# Altium PCB EPS.PcbDoc (part 1 of 10) (continued)
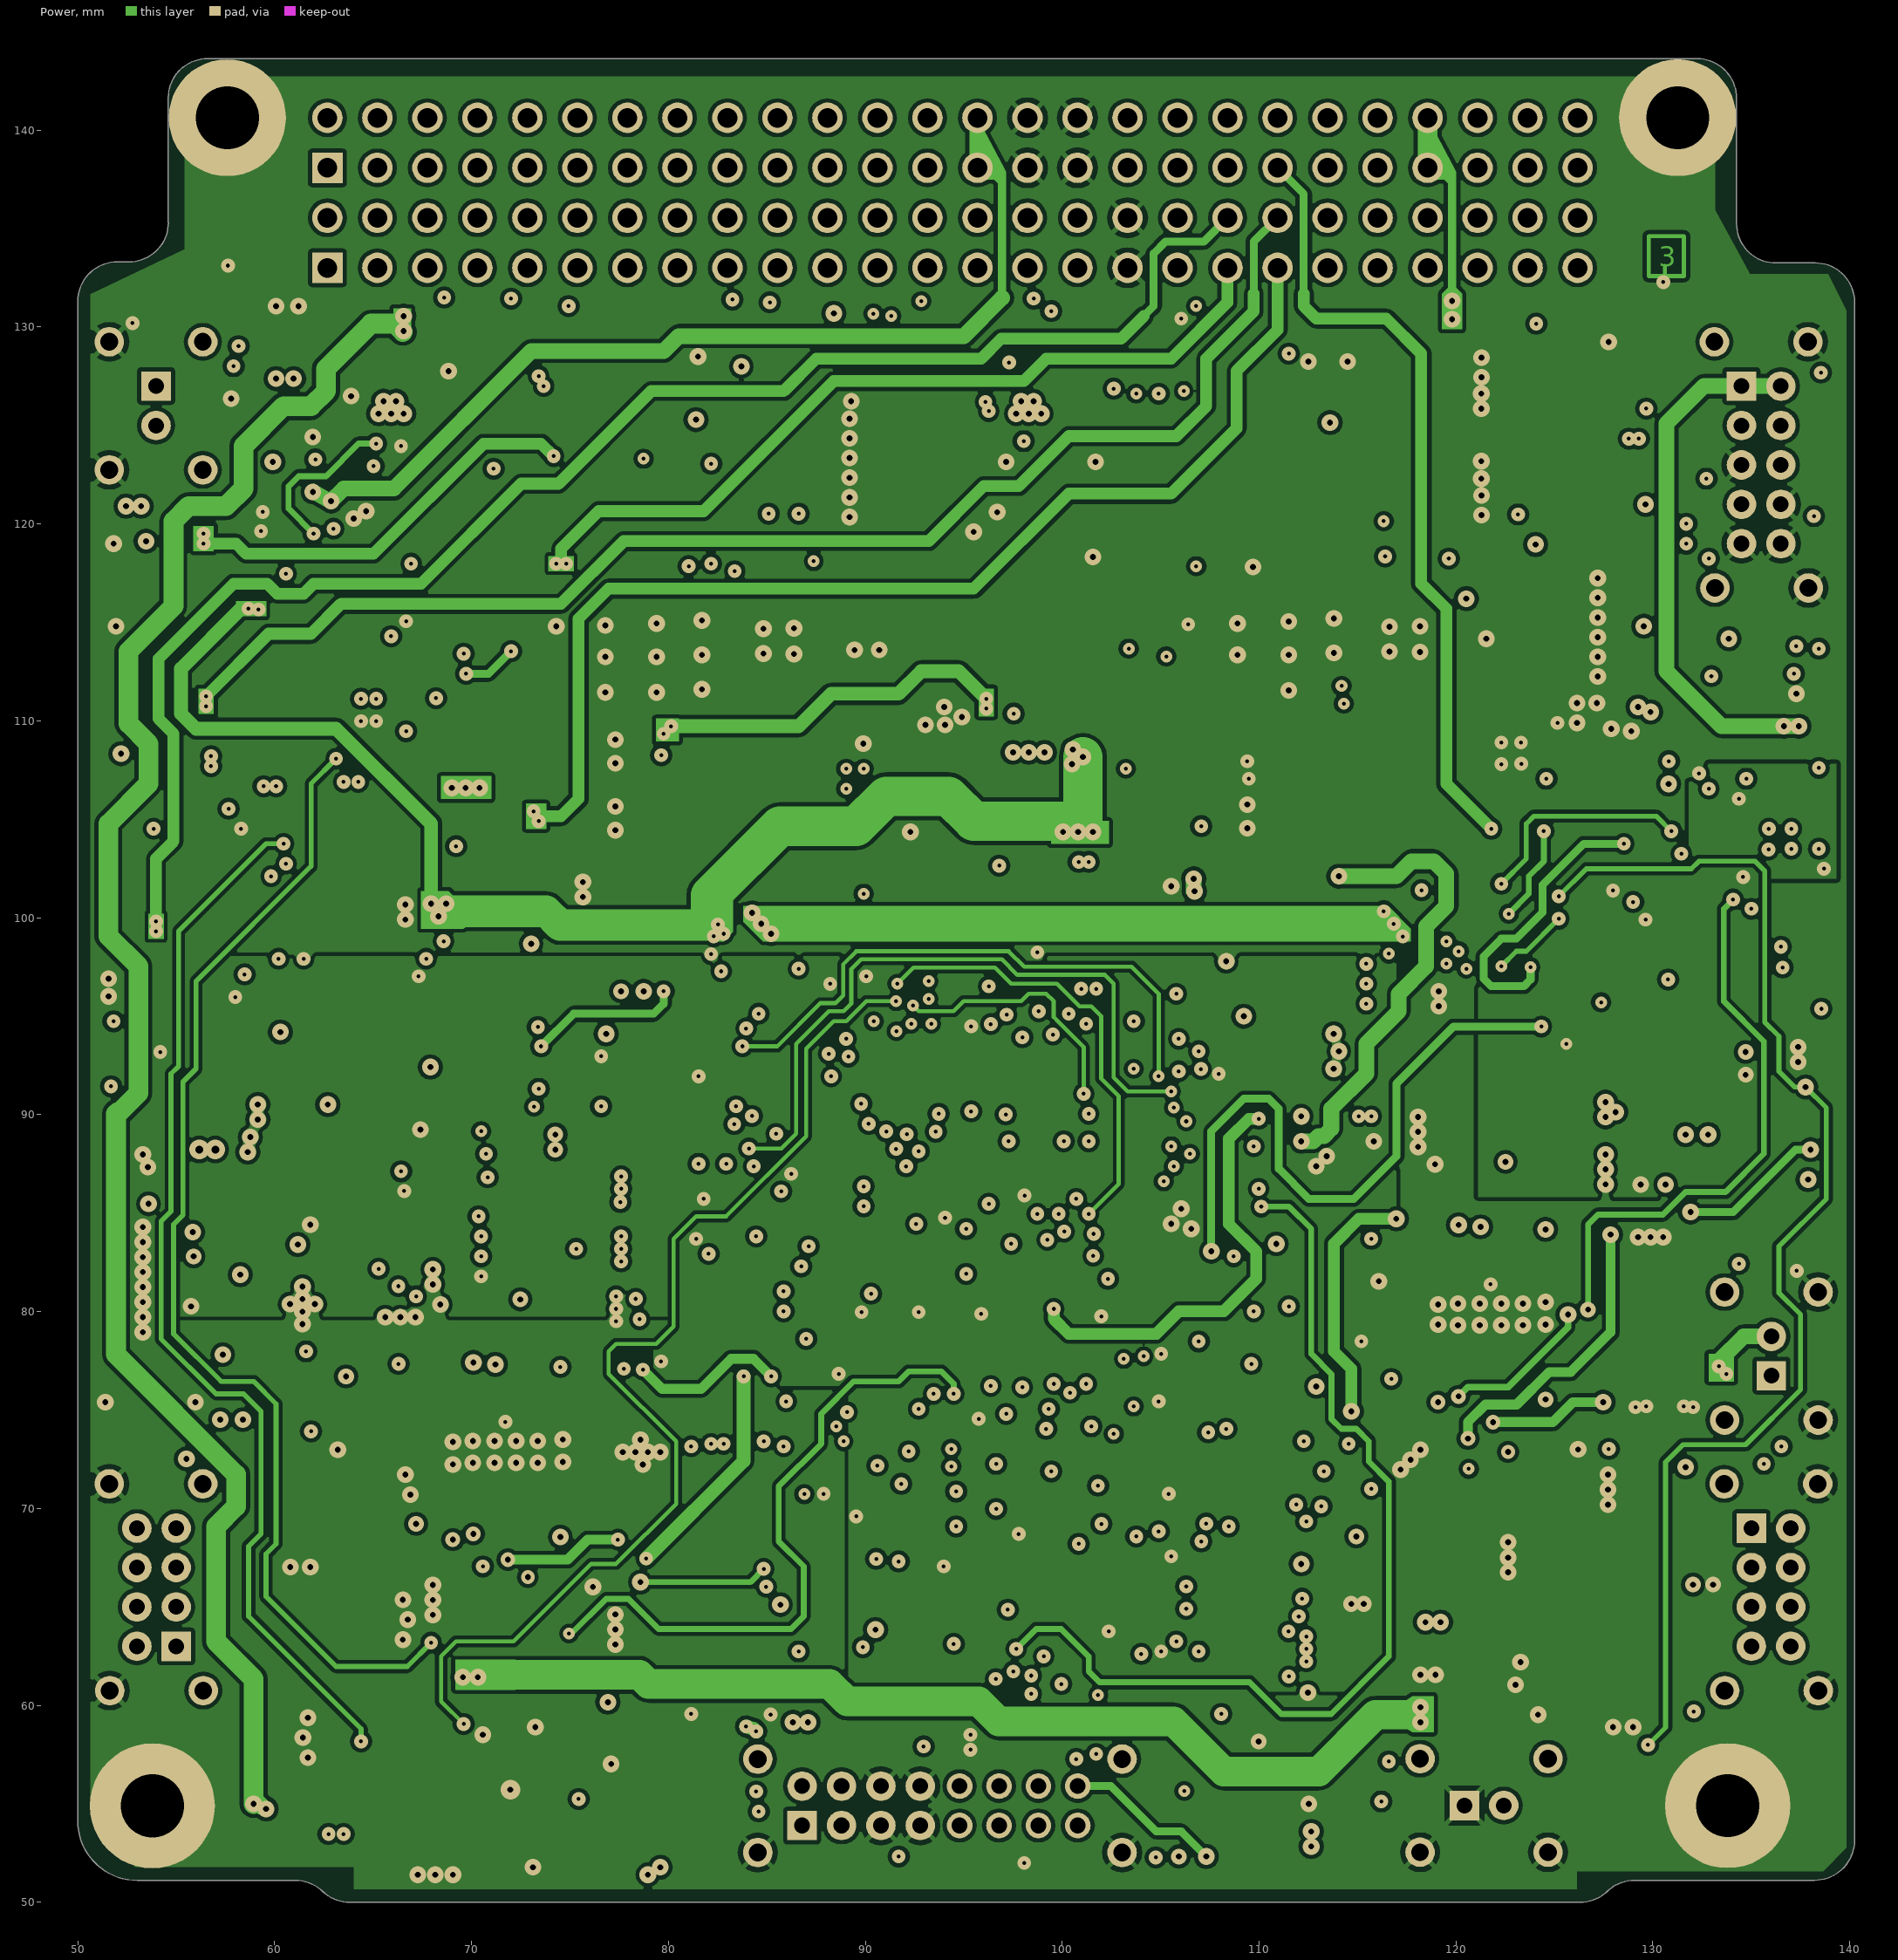
[diagram p3: Power]
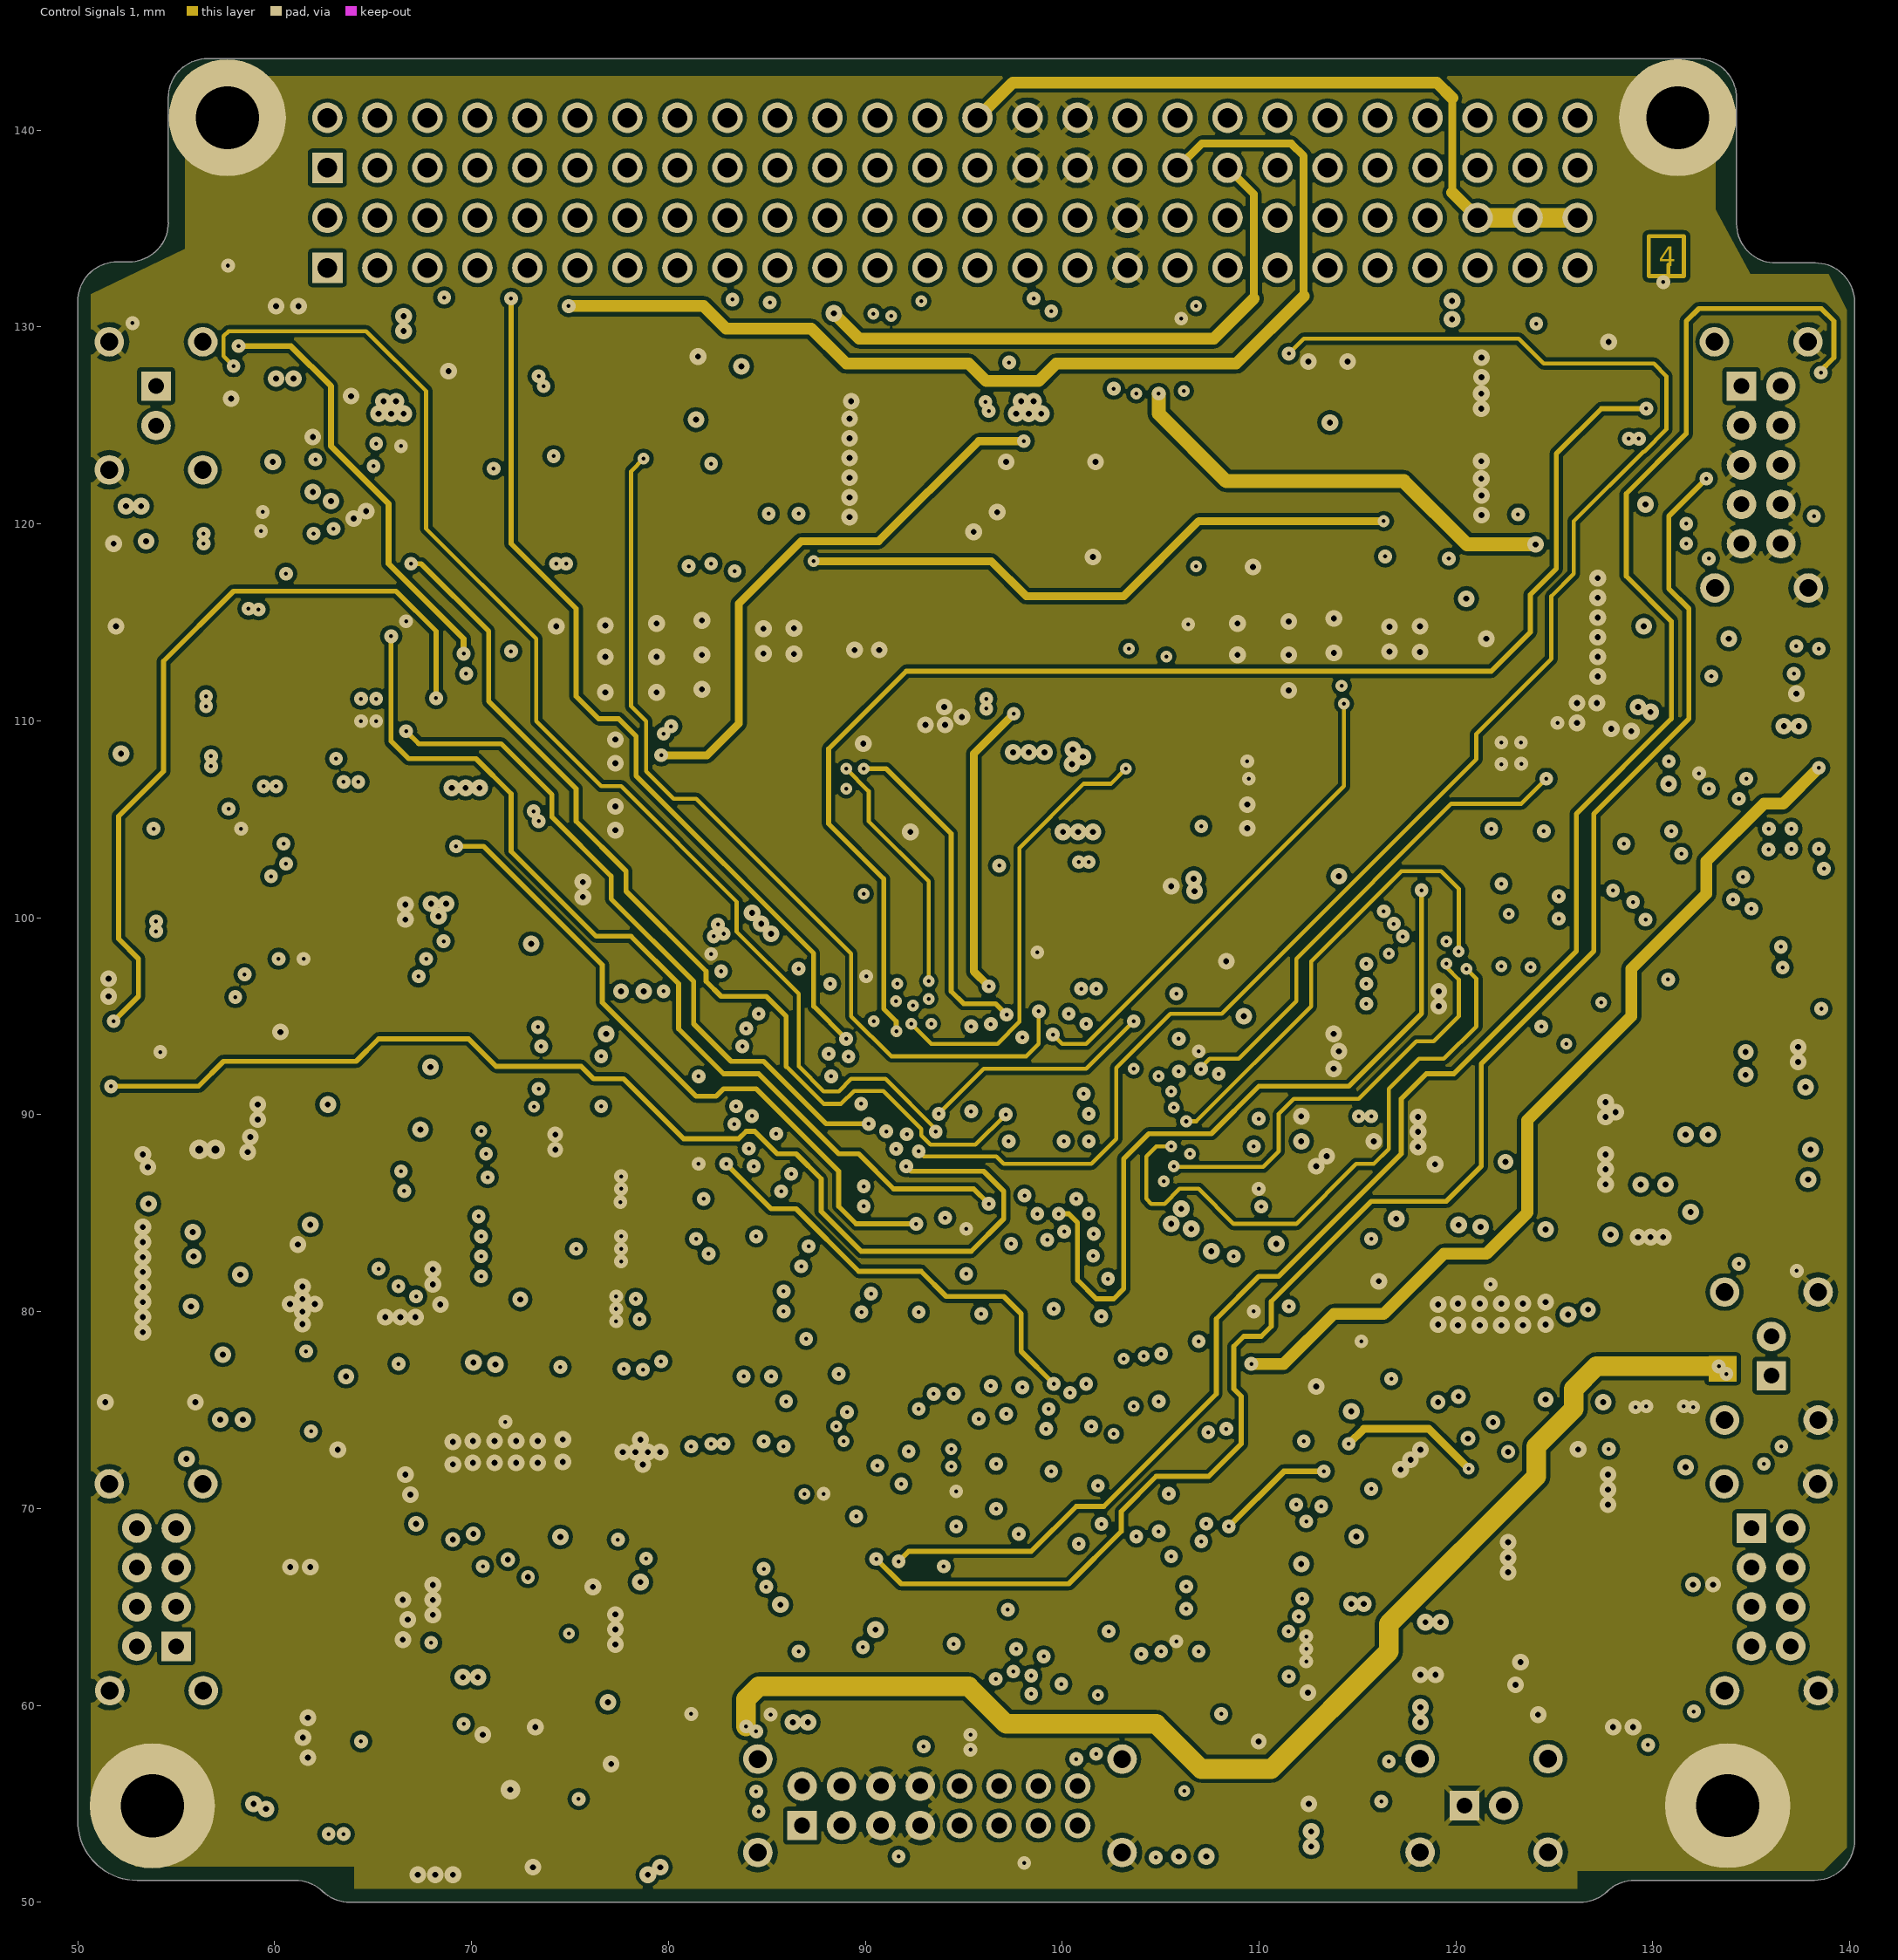
[diagram p4: Control Signals 1]
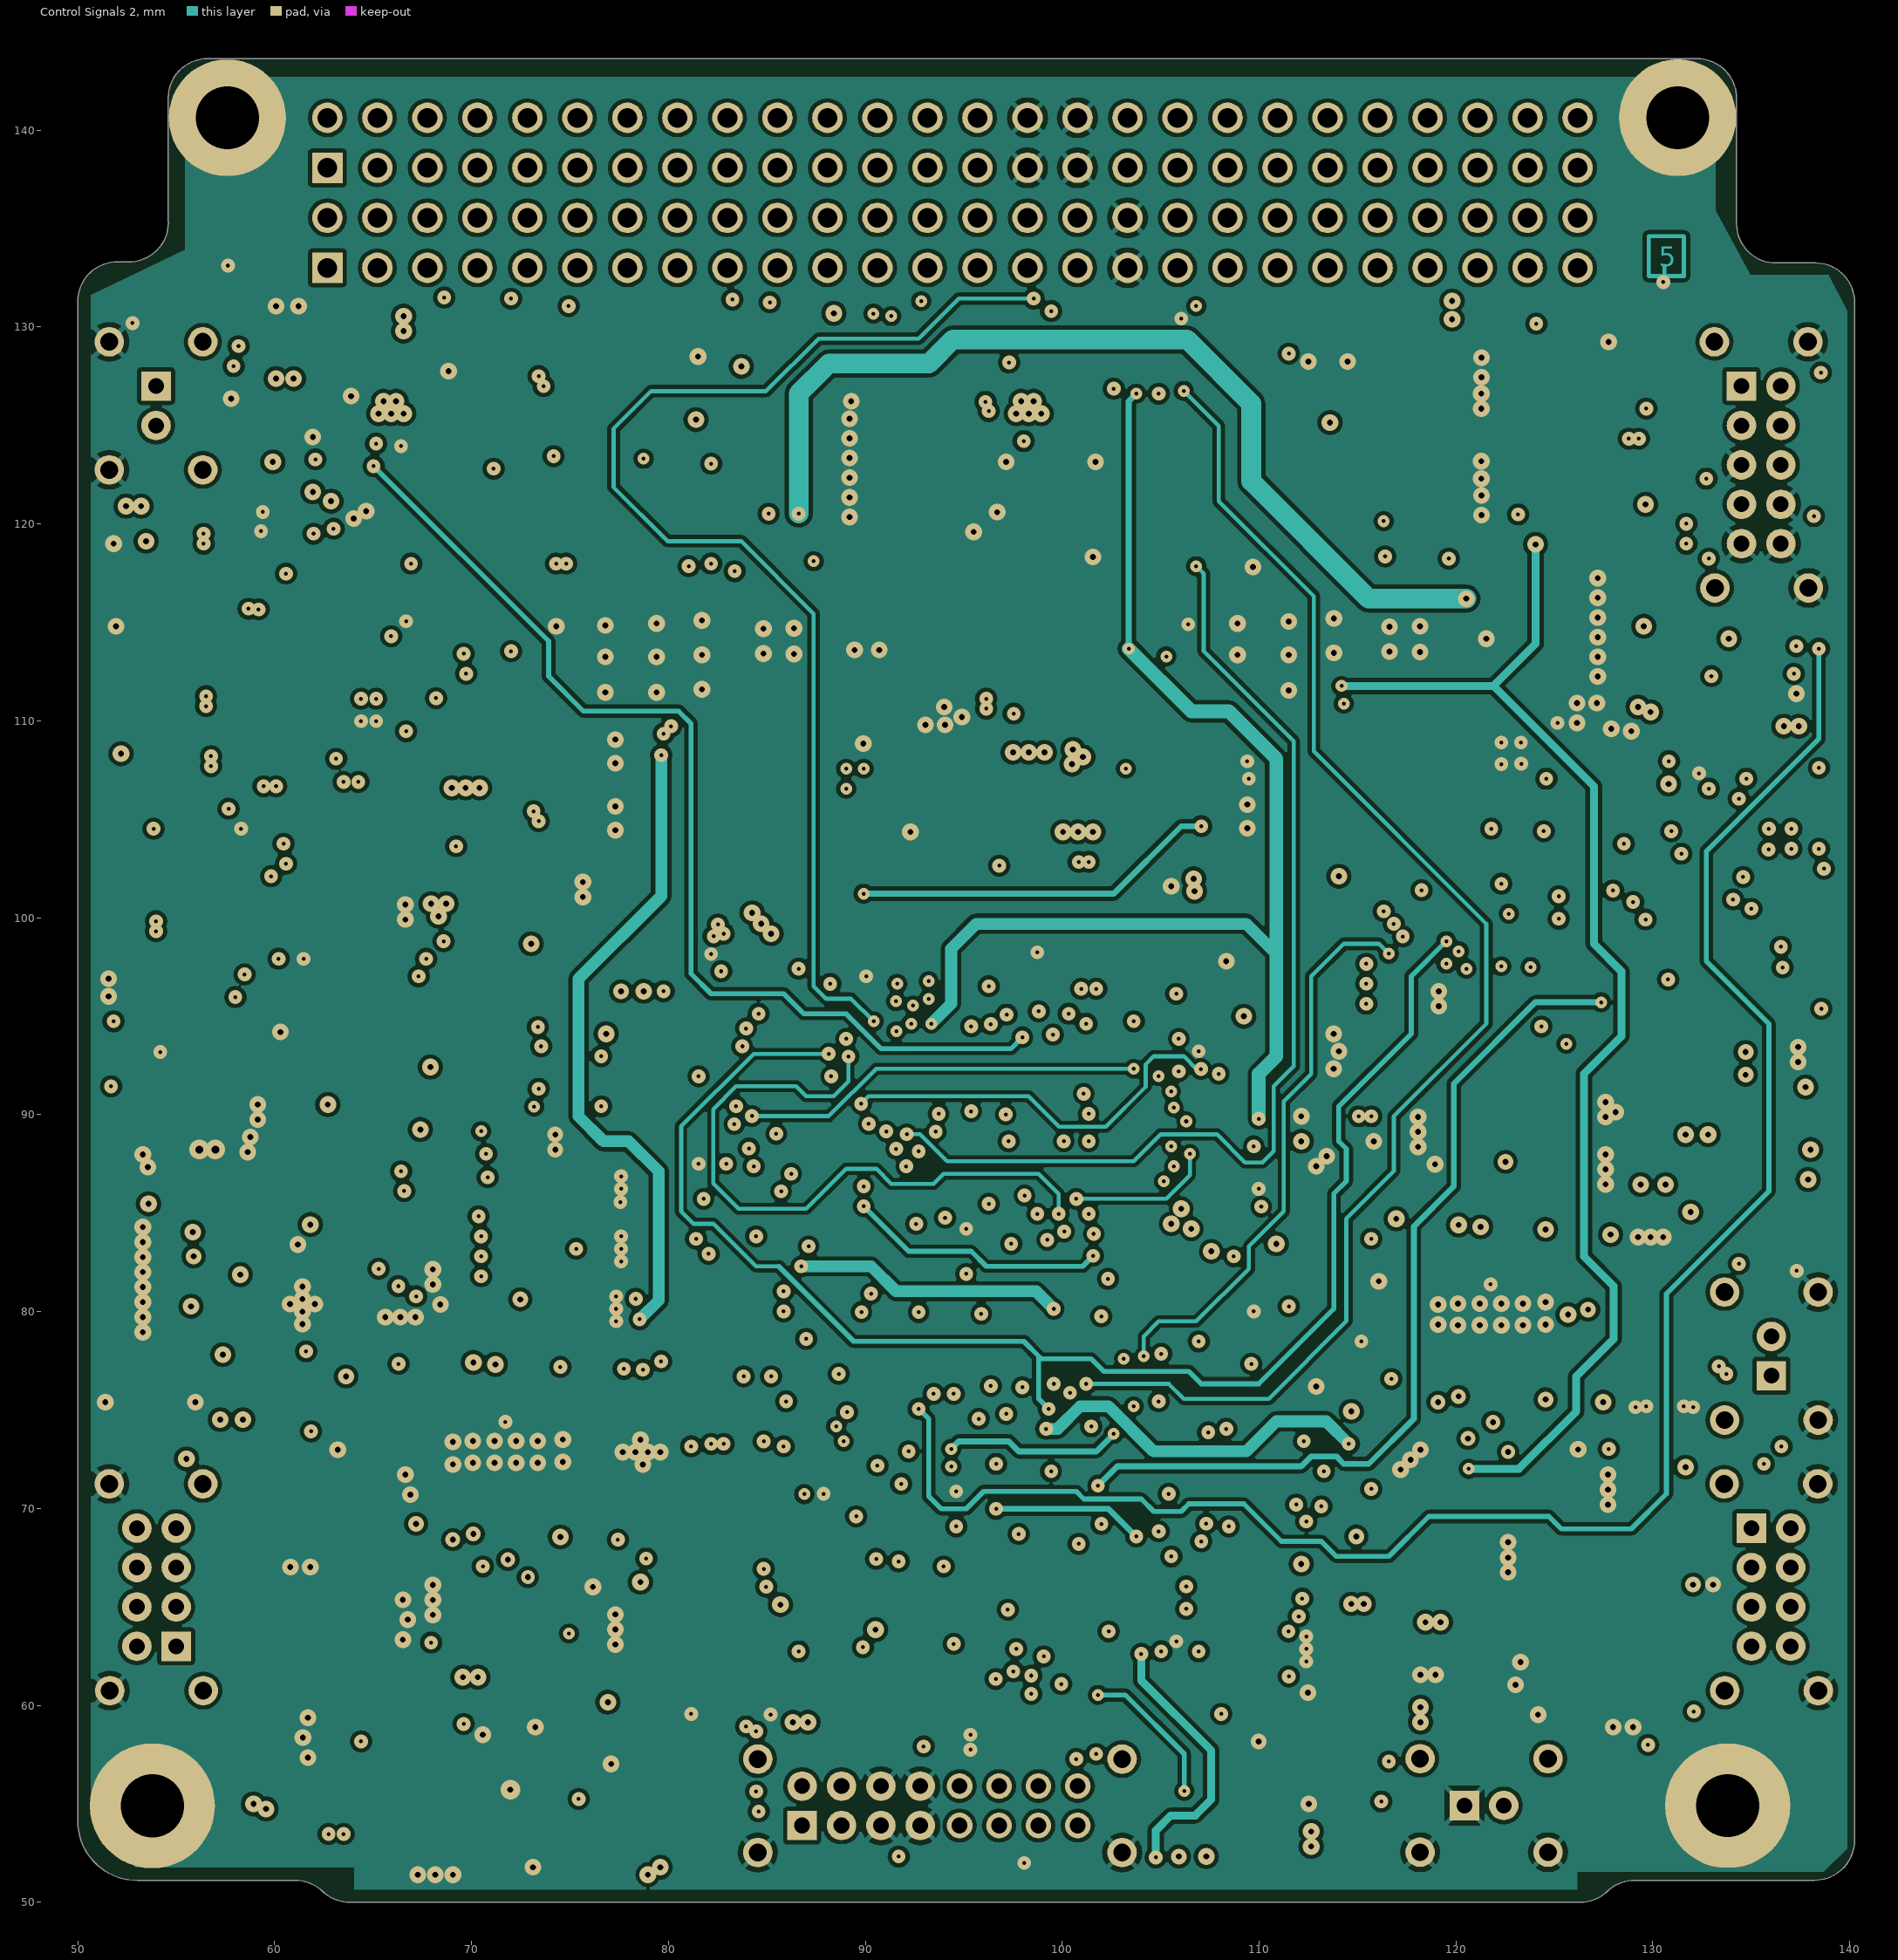
[diagram p5: Control Signals 2]
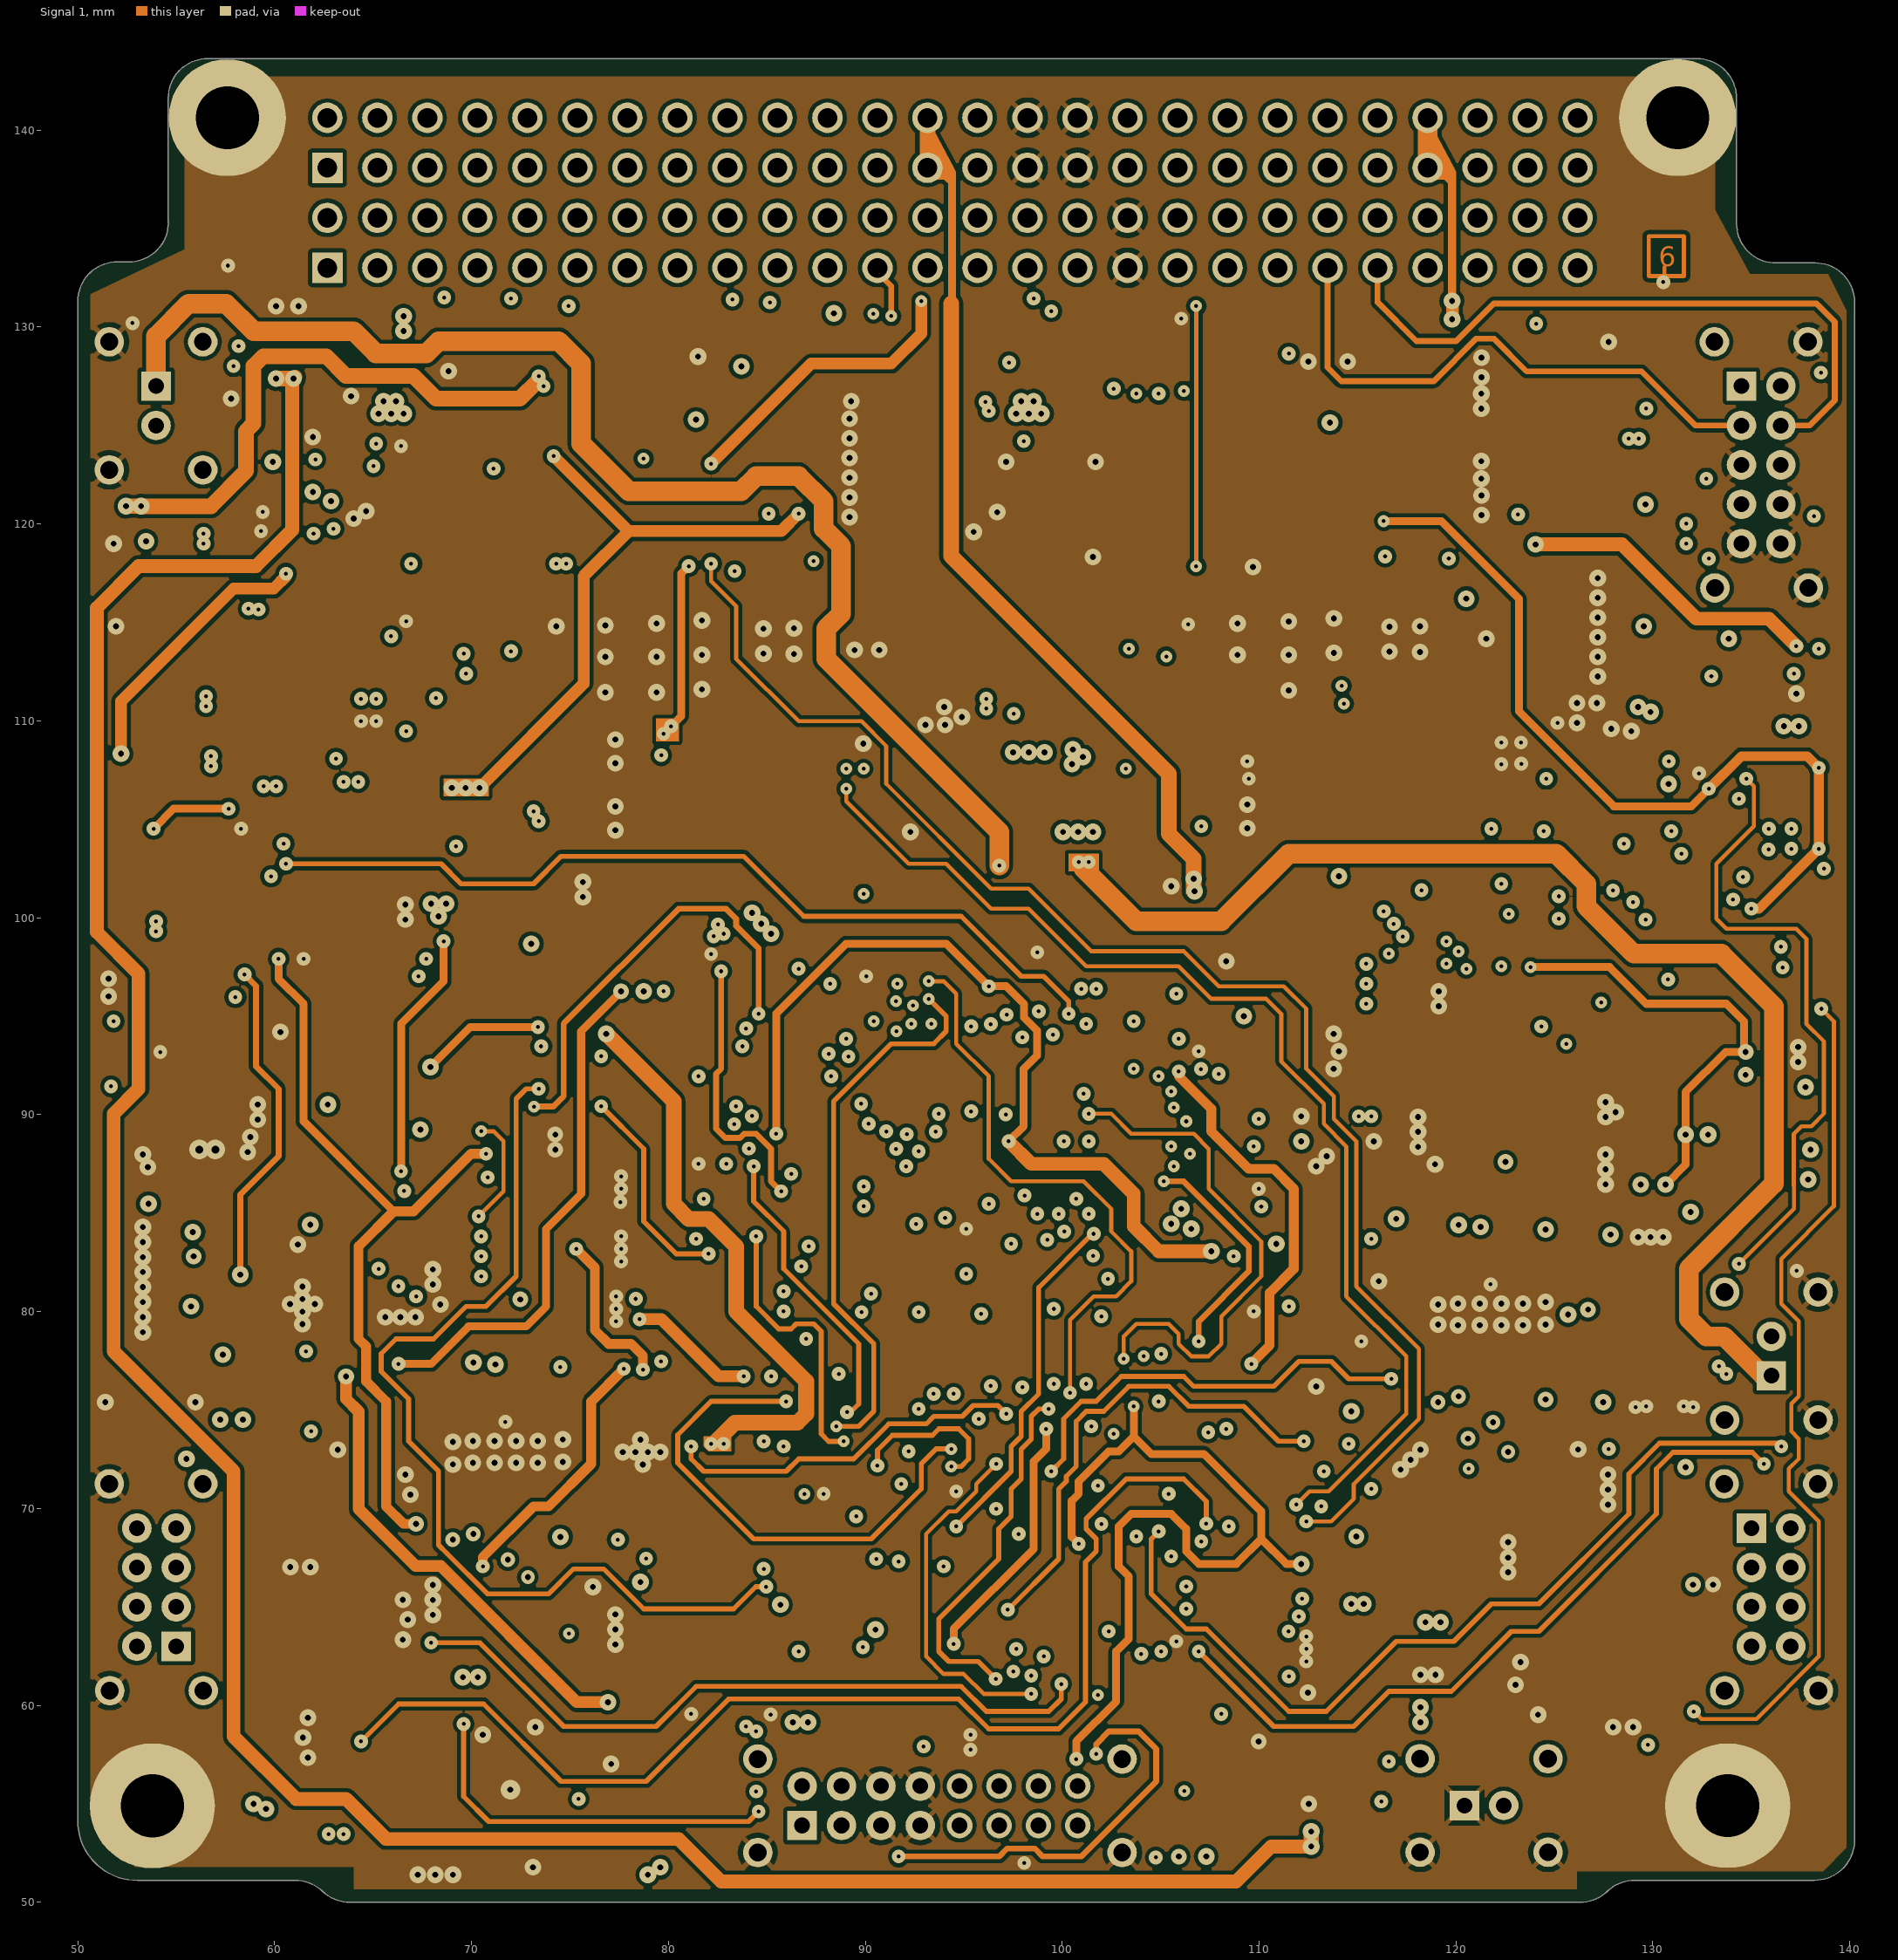
[diagram p6: Signal 1]